# Altium PCB PIXHACK_V3D.PcbDoc (part 3 of 3)
Units mm, origin at the board's own origin, x right, y up, seen from the top; angles counter-clockwise.
Board outline 51.45 x 41 mm, 6 copper layers (Top Layer, GND, POWER1, Signal1, POWER, Bottom Layer), stack 1.296 mm thick; 165 components, 213 nets, 875 pads, 250 vias.
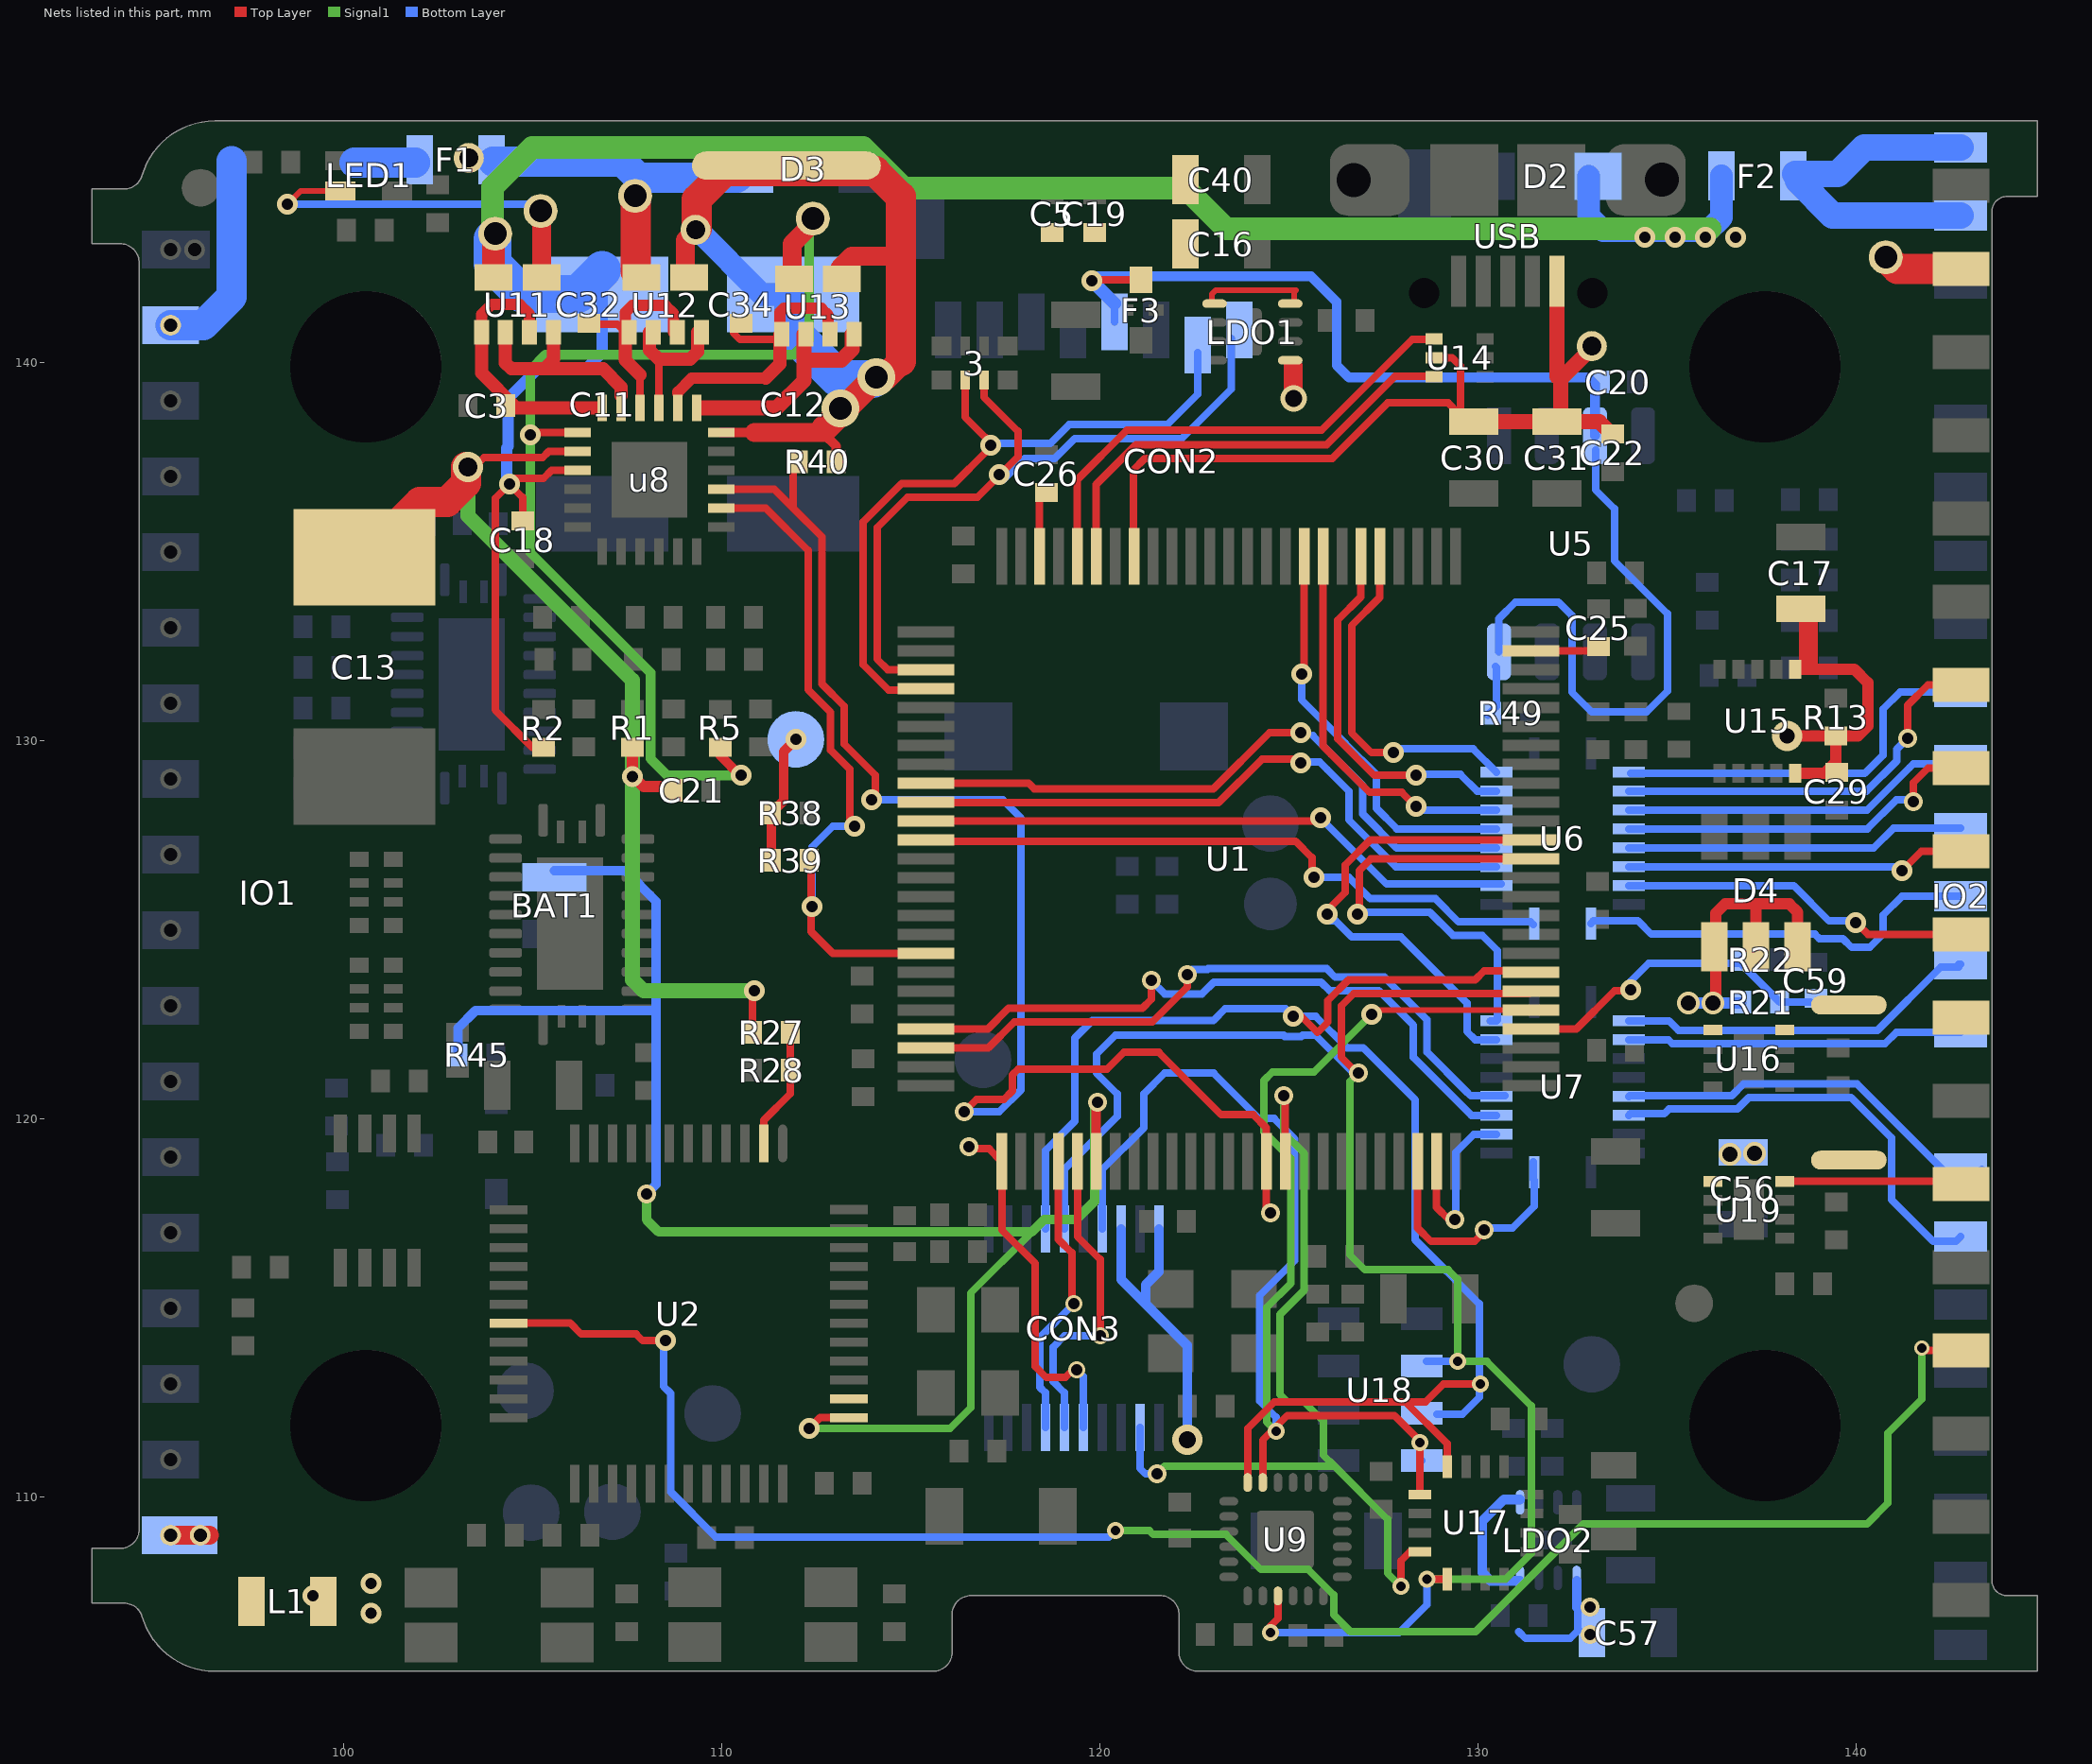
[diagram p7: the nets of this part, all layers, seen from the top]

## Via types
v1: diameter 0.55, hole 0.3, Top Layer to Bottom Layer, 129 vias
v2: diameter 0.5, hole 0.3, Top Layer to Bottom Layer, 50 vias
v3: diameter 0.5, hole 0.3, Top Layer to Bottom Layer, tented both sides, 14 vias
v4: diameter 0.45, hole 0.25, Top Layer to Bottom Layer, tented both sides, 12 vias
v5: diameter 0.45, hole 0.3, Top Layer to Bottom Layer, 9 vias
v6: diameter 0.4, hole 0.25, Top Layer to Bottom Layer, tented both sides, 7 vias
v7: diameter 0.6, hole 0.4, Top Layer to Bottom Layer, 5 vias
v8: diameter 0.6, hole 0.35, Top Layer to Bottom Layer, 5 vias
v9: diameter 0.45, hole 0.3, Top Layer to Bottom Layer, tented both sides, 2 vias
v10: diameter 0.7, hole 0.4, Top Layer to Bottom Layer, 2 vias
v11: diameter 1, hole 0.6, Top Layer to Bottom Layer, 2 vias
v12: diameter 0.5, hole 0.25, Top Layer to Bottom Layer, tented both sides, 2 vias
v13: diameter 0.45, hole 0.25, Top Layer to Bottom Layer, 2 vias
v14: diameter 0.7, hole 0.4, Top Layer to Bottom Layer, tented both sides, 1 vias
v15: diameter 0.6, hole 0.4, Top Layer to Bottom Layer, tented both sides, 1 vias
v16: diameter 0.8, hole 0.5, Top Layer to Bottom Layer, 1 vias
v17: diameter 0.65, hole 0.4, Top Layer to Bottom Layer, 1 vias
v18: diameter 0.8, hole 0.45, Top Layer to Bottom Layer, 1 vias
v19: diameter 0.8, hole 0.4, Top Layer to Bottom Layer, 1 vias
v20: diameter 0.7, hole 0.45, Top Layer to Bottom Layer, 1 vias
v21: diameter 0.65, hole 0.35, Top Layer to Bottom Layer, 1 vias
v22: diameter 0.8, hole 0.45, Top Layer to Bottom Layer, tented both sides, 1 vias

## Nets (pads, with @x,y where several pads share a name; then routed paths per layer and width w, separated by ;. In a path a pad name is that pad's centre, name@x,y a point inside that pad or via, vN(x,y) a via of type N, cw(c..) or ccw(c..) an arc to the next point about the centre after c; other vN are vias at no path point) (continued)
SDIO_D2: 3.7 CON2.1 U1.78 | length 20.1
  Top Layer w0.2: U1.78@115.394,131.867 114.383,131.867 114.1,132.15 114.1,135.625 114.9,136.425 116.75,136.425 117.825,137.5 117.825,138.175 116.925,139.075 3.7@116.925,139.525
  Bottom Layer w0.2: v1@117.45,136.9 118,137.45 118.793,137.45 119.328,137.985 122.16,137.985 123.471,139.296 CON2.1@123.471,140.625
  other v1: 117.325,137.025
SDIO_D3: 3.6 CON2.2 U1.79 | length 18.4
  Top Layer w0.2: U1.79@114.775,131.325 114.409,131.325 113.735,131.999 113.735,135.776 114.749,136.79 116.14,136.79 116.975,137.625 116.975,138 116.425,138.55 3.6@116.425,139.525
  Bottom Layer w0.2: v1(117.1,137.8) 117.1,137.825 117.125,137.85 118.676,137.85 119.176,138.35 121.775,138.35 122.575,139.15 CON2.2@122.575,140.249
SERVO_G: u8.15 U12.2 U12.4 | length 3.6
  Top Layer w0.2: u8.15@108.333,138.794 108.333,139.925
  Top Layer w0.35: U12.2@108.081,140.787 108.081,140.319 108.325,140.075 109.15,140.075 109.351,140.277 U12.4@109.351,140.787
SERVO_VALID: R39.2 U1.93 u8.8 | length 18.5
  Top Layer w0.2: u8.8@109.983,136.144 111.156,136.144 112.275,135.025 112.275,131.343 112.87,130.748 112.87,129.748 113.375,129.243 v1@113.375,127.9 ; R39.2@112.356,126.854 112.356,124.944 112.933,124.367 U1.93@115.394,124.367
  Bottom Layer w0.2: v1(112.375,125.6) 112.375,127.175 112.925,127.725 v1(113.5,127.725)
SERVO_VS: C32.1 u8.16 U12.1 U12.3 | length 5.5
  Top Layer w0.2: C32.1@106.475,141 107.233,141 U12.1@107.446,140.787 ; u8.16@107.832,138.794 107.832,139.518
  Top Layer w0.3: U12.1@107.446,140.787 107.446,141.321 107.625,141.5 108.5,141.5 108.716,141.284 U12.3@108.716,140.787
  Top Layer w0.35: U12.1@107.446,140.787 107.446,140.054 107.832,139.668
SPEKTRUM_EN: U2.2
SPI_EXT_MISO: CON3.14 U1.4 | length 7.6
  Top Layer w0.2: U1.4@118.894,118.867 118.894,116.806 119.25,116.45 119.25,115.15 v5(119.3,115.1)
  Bottom Layer w0.2: CON3.14@118.55,111.825 118.55,112.749 118.404,112.895 118.404,114.204 v5(119.3,115.1)
SPI_EXT_MOSI: CON3.15 U1.5 | length 8.6
  Top Layer w0.2: U1.5@119.4,118.95 119.4,116.875 120,116.275 v5(120,114.25)
  Bottom Layer w0.2: CON3.15@119.05,111.825 119.05,112.75 118.758,113.042 118.758,113.958 119.05,114.25 v5(120,114.25)
SPI_EXT_SCK: CON3.16 U1.1 | length 9.6
  Top Layer w0.2: v2@116.5,119.2 117.061,119.2 U1.1@117.394,118.867 ; U1.1@117.4,118.8 117.4,117.05 118.285,116.165 118.285,113.44 118.575,113.15 119.075,113.15 119.275,113.35 v5(119.375,113.35)
  Bottom Layer w0.2: v5(119.375,113.35) 119.55,113.175 CON3.16@119.55,111.825
  other v2: 116.525,119.25
SPI_MAG_CS: CON3.19 U1.16 U17.4 | length 24.3
  Top Layer w0.2: U1.16@124.894,118.867 v2@124.894,120.5 ; v4(127.95,107.625) 127.95,108.3 128.197,108.547 U17.4@128.448,108.547
  Signal1 w0.2: v2(121.5,110.6) 121.704,110.804 126.196,110.804 ; v2(124.85,120.6) 124.85,119.626 125.392,119.084 125.392,115.457 124.754,114.819 124.754,112.7 124.954,112.5 125.4,112.5 125.9,112 125.9,111.1 126.196,110.804 ; v4(127.95,107.625) 127.6,107.975 127.6,109.4 126.196,110.804
  Bottom Layer w0.2: CON3.19@121.05,111.825 121.05,110.75 121.2,110.6 v2(121.5,110.6)
SPI_MISO: CON3.6 U1.31 U9.9 U17.5 U18.6 | length 47.3
  Top Layer w0.2: v4(124.5,106.4) 124.5,106.575 124.7,106.775 U9.9@124.7,107.375 ; v2(126.825,121.2) 126.8,121.2 126.375,121.625 126.375,122.975 126.71,123.31 131.337,123.31 U1.31@131.394,123.367 ; v4(128.647,107.822) U17.5@129.173,107.822
  Signal1 w0.2: v2(126.825,121.2) 126.6,120.975 126.6,116.4 127,116 129.2,116 129.45,115.75 v13(129.45,113.575) 130.225,113.575 131.4,112.4 131.4,108.5 130.722,107.822 v4(128.647,107.822)
  Bottom Layer w0.2: CON3.6@119.05,117.075 119.05,118.651 120.45,120.051 120.45,120.65 119.9,121.2 119.9,121.7 120.4,122.2 124.852,122.2 124.881,122.171 125.319,122.171 125.348,122.2 125.699,122.2 126.699,121.2 v2(126.825,121.2) ; v4(124.5,106.4) 127.9,106.4 128.647,107.147 v4(128.647,107.822) ; U18.6@128.625,113.575 v13(129.45,113.575)
SPI_MOSI: CON3.7 U1.32 U9.24 U17.16 U18.7 | length 43.2
  Top Layer w0.2: U9.24@123.9,110.375 123.9,111.8 124.6,112.5 128.075,112.5 ; v1(125.1,122.7) 125.321,122.7 125.746,122.275 126.021,122.55 126.021,123.122 126.563,123.664 129.914,123.664 130.15,123.9 U1.32@131.3,123.9 ; U17.16@129.173,110.793 129.173,111.402 128.075,112.5 ; v4(130.05,112.975) 129.075,112.975 128.6,112.5 128.075,112.5
  Bottom Layer w0.2: CON3.7@118.55,117.075 118.55,119.15 119.329,119.929 119.329,122.129 119.788,122.588 122.988,122.588 123.3,122.9 124.9,122.9 v1(125.1,122.7) 125.7,122.7 126.533,121.867 126.958,121.867 128.329,120.496 128.329,116.795 130.025,115.099 130.025,112.625 129.575,112.175 U18.7@128.9,112.175
SPI_SCK: CON3.4 U1.30 U9.23 U17.1 U18.8 | length 42.7
  Top Layer w0.154: v1(127.175,122.75) 127.292,122.867 U1.30@131.394,122.867
  Top Layer w0.2: U9.23@124.3,110.375 124.3,111.496 124.95,112.146 127.779,112.146 v4@128.448,111.477 ; U17.1@128.448,110.059 v4@128.448,111.425
  Signal1 w0.2: v4(124.65,111.725) 124.4,111.975 124.4,115 125.038,115.638 125.038,118.937 124.329,119.646 124.329,121.004 124.55,121.225 125.65,121.225 v1(127.175,122.75)
  Bottom Layer w0.2: CON3.4@120.05,117.075 120.05,118.65 121.158,119.758 121.158,120.658 121.7,121.2 123,121.2 124.2,120 124.6,120 125.146,119.454 125.146,116.247 124.221,115.322 124.221,112.528 124.65,112.099 v4(124.65,111.725) ; v4(128.45,111.425) 128.45,111 U18.8@128.5,110.95
STM32_DM: U1.70 U14.6 | length 12.1
  Top Layer w0.2: U1.70@119.894,134.867 119.894,136.769 120.945,137.82 125.986,137.82 127.791,139.625 U14.6@128.875,139.625
STM32_DP: U1.71 U14.4 | length 13
  Top Layer w0.2: U1.71@119.394,134.867 119.394,136.894 120.7,138.2 125.85,138.2 128.25,140.6 U14.4@128.8,140.6
TELEM1_CTS: IO2.31 U6.16 | length 9
  Bottom Layer w0.2: U6.16@133.978,127.16 140.46,127.16 140.983,127.683 IO2.31@142.759,127.683
TELEM1_RTS: IO2.10 U6.17 | length 9
  Top Layer w0.2: v1(141.2,126.55) 141.722,127.072 IO2.10@142.767,127.072
  Bottom Layer w0.2: U6.17@133.978,126.66 141.04,126.66 v1@141.175,126.525
TELEM1_RX: IO2.30 U6.20 | length 11
  Bottom Layer w0.2: U6.20@132.978,125.16 133.046,125.229 134.221,125.229 134.575,124.875 138.9,124.875 139.021,124.754 139.644,124.754 139.873,124.525 140.35,124.525 140.7,124.875 140.7,125.375 141.208,125.883 IO2.30@142.759,125.883
TELEM1_TX: IO2.9 U6.18 | length 9.3
  Top Layer w0.2: v1@140.05,125.125 140.303,124.872 IO2.9@142.767,124.872
  Bottom Layer w0.2: U6.18@133.978,126.16 138.34,126.16 139.275,125.225 139.975,125.225 v1@140.05,125.15
  other v1: 139.975,125.175
TELEM2_CTS: IO2.32 U6.14 | length 11.1
  Bottom Layer w0.2: U6.14@133.978,128.16 140.285,128.16 ; 141.4,129.275 140.285,128.16 ; IO2.32@143.025,129.375 141.5,129.375 140.285,128.16
TELEM2_RTS: IO2.11 U6.15 | length 9.8
  Top Layer w0.2: v2(141.5,128.375) 141.5,128.875 141.897,129.272 IO2.11@142.767,129.272
  Bottom Layer w0.2: U6.15@133.978,127.66 140.286,127.66 141.051,128.425 v2@141.525,128.425
TELEM2_RX: IO2.12 U6.13 | length 10.8
  Top Layer w0.2: v2@141.357,130.015 141.357,130.932 141.897,131.472 IO2.12@142.767,131.472
  Bottom Layer w0.2: U6.13@133.978,128.66 140.269,128.66 141.065,129.456 141.065,129.765 v2@141.4,130.1
  other v2: 141.357,130.057
TELEM2_TX: IO2.33 U6.12 | length 10.3
  Bottom Layer w0.2: U6.12@134.025,129.125 140.218,129.125 140.7,129.607 140.7,130.825 141.158,131.283 IO2.33@142.759,131.283
TELEM4_RX: IO2.25 U7.17 | length 11.6
  Bottom Layer w0.2: U7.17@133.978,120.085 134.021,120.129 134.922,120.129 135.047,120.254 136.853,120.254 137.157,120.558 139.858,120.558 140.925,119.491 140.925,117.857 142.032,116.75 142.626,116.75 IO2.25@142.759,116.883
TELEM4_TX: IO2.26 U7.16 | length 10.5
  Bottom Layer w0.2: U7.16@133.978,120.585 134,120.608 136.707,120.608 137.011,120.912 140.02,120.912 142.337,118.595 143.263,118.595 IO2.26@143.318,118.65
TELEM5_RX: IO2.29 U7.12 | length 9.6
  Bottom Layer w0.2: U7.12@133.978,122.585 135.04,122.585 135.297,122.328 140.553,122.328 142.225,124 IO2.29@142.7,124 ; IO2.29@142.7,124.083 IO2.29@142.759,124.083
TELEM5_TX: IO2.28 U7.13 | length 9
  Bottom Layer w0.2: U7.13@133.978,122.085 135.024,122.085 135.135,121.974 140.749,121.974 141.058,122.283 IO2.28@142.759,122.283
TF_VCC: C16.2 C20.2 CON2.4 F3.2 R49.1 U5.3 U5.8 | length 35.9
  Top Layer w0.2: v1@119.847,142.178 F3.2@120.958,142.178
  Bottom Layer w0.2: CON2.4@120.375,141.072 CON2.4@120.375,141.55 ; R49.1@130.256,130.671 130.475,130.89 130.475,131.925 U5.8@130.45,131.95 ; U5.8@130.545,132.343 130.545,133.22 130.985,133.66 132.117,133.66 132.475,133.302 132.475,131.275 133,130.75 134.45,130.75 135,131.3 135,133.35 133.6,134.75 133.6,136.125 133.1,136.625 U5.3@133.1,137.675
  Bottom Layer w0.254: v1@119.775,142.275 125.575,142.275 126.25,141.6 126.25,139.925 126.575,139.6 132.9,139.6 133.085,139.415 U5.3@133.085,138.058
  Bottom Layer w0.35: v1(119.775,142.15) CON2.4@120.375,141.55
USART1_RX: IO2.4 U2.31 | length 49.5
  Top Layer w0.2: U2.31@104.354,114.591 105.984,114.591 106.275,114.3 107.725,114.3 107.9,114.125 v1(108.5,114.125) ; v6@141.728,113.872 IO2.4@142.767,113.872
  Signal1 w0.2: v4(120.4,109.1) 121.3,109.1 121.4,109 123.325,109 124.25,108.075 125.5,108.075 126.175,107.4 126.175,106.876 126.618,106.433 129.932,106.433 132.782,109.283 140.283,109.283 140.825,109.825 140.825,111.675 141.725,112.575 v6(141.725,113.925)
  Bottom Layer w0.2: v1@108.45,114.1 108.45,112.916 108.64,112.726 108.64,110.126 109.831,108.935 120.235,108.935 v4(120.4,109.1)
USART2_CTS: U1.84 U6.5 | length 17.1
  Top Layer w0.2: U1.84@115.394,128.867 118.108,128.867 118.258,128.717 122.992,128.717 124.475,130.2 v1(125.3,130.2)
  Bottom Layer w0.2: 125.625,130.125 126.109,129.641 126.94,128.81 126.94,128.051 127.841,127.15 U6.5@130.475,127.15
USART2_RTS: U1.85 U6.4 | length 17.2
  Top Layer w0.2: U1.85@115.394,128.367 115.409,128.352 123.127,128.352 124.276,129.5 v1@125.3,129.5
  Bottom Layer w0.2: v1@125.275,129.475 125.325,129.425 125.809,129.425 125.999,129.235 126.575,128.659 126.575,127.9 127.815,126.66 U6.4@130.478,126.66
  other v1: 125.3,129.4
USART2_RX: U1.87 U6.1 | length 17.2
  Top Layer w0.2: U1.87@115.394,127.367 115.426,127.335 125.165,127.335 125.6,126.9 v1@125.6,126.4
  Bottom Layer w0.2: v1@125.7,126.4 125.725,126.375 126.576,126.375 127.14,125.811 128.864,125.811 129.475,125.2 131.375,125.2 U6.1@131.45,125.125
  other v1: 125.65,126.375
USART2_TX: U1.86 U6.3 | length 16
  Top Layer w0.2: U1.86@115.394,127.867 125.742,127.867 v1(125.825,127.95)
  Bottom Layer w0.2: v1(125.825,127.95) 127.575,126.2 U6.3@130.6,126.2
USART3_CTS: U1.58 U6.7 | length 10.3
  Top Layer w0.2: U1.58@125.894,134.867 125.894,129.856 127.125,128.625 127.975,128.625 v1(128.35,128.25)
  Bottom Layer w0.2: v1@128.375,128.35 128.565,128.16 U6.7@130.478,128.16
USART3_RTS: U1.59 U6.6 | length 10.9
  Top Layer w0.2: v1@125.394,131.75 U1.59@125.394,134.867
  Bottom Layer w0.2: v1(125.325,131.75) 125.325,131.075 126.465,129.935 ; 126.475,129.925 127.305,129.095 127.305,128.202 127.847,127.66 U6.6@130.478,127.66
USART3_RX: U1.56 U6.8 | length 9.8
  Top Layer w0.2: U1.56@126.894,134.867 126.894,133.794 126.285,133.185 126.285,130.04 127.25,129.075 v1(128.35,129.075)
  Bottom Layer w0.2: v1@128.375,129.1 129.525,129.1 129.965,128.66 U6.8@130.478,128.66
USART3_TX: U1.55 U6.9 | length 9.3
  Top Layer w0.2: U1.55@127.394,134.867 127.394,133.778 126.65,133.034 126.65,130.2 127.175,129.675 v1(127.75,129.675)
  Bottom Layer w0.2: v1@127.725,129.775 129.863,129.775 U6.9@130.478,129.16
USART4_RX: U1.24 U7.3 | length 4.8
  Top Layer w0.2: U1.24@128.894,118.867 128.894,117.656 v2@129.225,117.325
  Bottom Layer w0.2: v2@129.225,117.325 129.4,117.5 129.4,119.1 129.885,119.585 U7.3@130.478,119.585
  other v2: 129.375,117.325
USART4_TX: U1.23 U7.1 | length 6.6
  Top Layer w0.2: U1.23@128.354,118.907 U1.23@128.394,118.867 128.394,117.106 128.75,116.75 129.9,116.75 v2@130.125,116.975
  Bottom Layer w0.2: v2@130.162,116.937 130.325,117.1 130.9,117.1 131.475,117.675 131.475,118.361 131.45,118.386 U7.1@131.45,118.85
  other v2: 130.15,117.05
USART7_RX: U1.38 U7.9 | length 12.1
  Top Layer w0.2: v1(126.8,125.4) 126.8,125.364 126.849,125.315 126.849,126.558 127.158,126.867 U1.38@131.394,126.867
  Bottom Layer w0.2: v1@126.9,125.5 126.943,125.457 128.717,125.457 129.328,124.846 130.1,124.846 130.5,124.446 U7.9@130.5,122.6 ; U7.9@130.315,122.585 U7.9@130.478,122.585
USART7_TX: U1.39 U7.8 | length 13.2
  Top Layer w0.2: v1(126,125.4) 125.9,125.4 126.484,125.984 126.484,126.709 127.142,127.367 U1.39@131.394,127.367
  Bottom Layer w0.2: v1(126,125.4) 126,125.3 126.076,125.224 126.228,125.224 126.652,124.8 127.952,124.8 129.7,123.052 129.7,122.3 129.915,122.085 U7.8@130.478,122.085
USART8_RX: U1.97 U7.4 | length 18.1
  Top Layer w0.2: U1.97@115.394,122.367 117.026,122.367 117.574,122.915 121.115,122.915 121.35,123.15 v2(121.35,123.65)
  Bottom Layer w0.2: v2(121.35,123.65) 121.704,123.296 122.695,123.296 123.007,123.608 125.841,123.608 126.065,123.384 127.365,123.384 128.284,122.465 128.284,121.614 129.813,120.085 U7.4@130.478,120.085
USART8_TX: U1.98 U7.5 | length 18.3
  Top Layer w0.2: U1.98@115.394,121.867 117.042,121.867 117.725,122.55 121.375,122.55 122.3,123.475 v2(122.3,123.8)
  Bottom Layer w0.2: v2(122.3,123.8) 122.446,123.946 122.844,123.946 122.86,123.962 125.988,123.962 126.212,123.738 127.512,123.738 128.638,122.612 128.638,121.761 129.668,120.731 ; 129.669,120.731 129.8,120.6 U7.5@130.7,120.6
VBAT: BAT1.2 R45.2 U1.6 U2.1 | length 45.1
  Top Layer w0.2: v1(112.3,111.8) 112.591,112.091 U2.1@113.354,112.091
  Top Layer w0.25: U1.6@119.894,118.867 v2@119.894,120.256
  Signal1 w0.2: v1(112.3,111.8) 116.025,111.8 116.575,112.35 116.575,115.385 118.19,117 ; v2@119.875,120.35 v2@119.875,120.4
  Signal1 w0.25: v3(108,118) 108,117.325 108.325,117 118.19,117 118.515,117.325 119.365,117.325 119.85,117.81 119.85,120.35 v2(119.931,120.431)
  Bottom Layer w0.25: R45.2@103.019,121.679 103.019,122.394 103.475,122.85 108.256,122.85 ; BAT1.2@105.57,126.549 107.451,126.549 108.256,125.744 108.256,122.85 ; v3(108,118) 108.256,118.256 108.256,122.85
VBUS: C22.2 C30.2 C31.2 IO2.17 pad.3@112.4,143.8 pad.3@133,140.425 pad.3@140.775,142.775 R5.2 U1.68 u8.19 U13.8 U14.5 USB.1 | length 54.1
  Top Layer w0.2: v1@104.85,138.075 104.919,138.144 u8.19@106.182,138.144 ; U1.68@120.894,134.867 120.875,134.886 120.875,137.15 121.18,137.455 126.137,137.455 127.607,138.925 129.2,138.925 ; U14.5@128.835,140.116 129.309,140.116 129.525,139.9 C30.2@129.525,138.325 ; 129.204,138.921 129.475,138.65 C30.2@129.725,138.4
  Top Layer w0.254: R5.2@109.954,129.596 v1@110.487,129.063
  Top Layer w0.4: C30.2@129.875,138.425 C31.2@132.075,138.425 133.2,138.425 C22.2@133.5,138.125 ; 132.079,139.621 USB.1@132.079,142.147 ; C31.2@132.175,138.525 132.175,139.55 133,140.375 pad.3@133,140.425
  Top Layer w0.5: U13.8@111.85,142.2 111.85,143.125 pad.3@112.462,143.738
  Top Layer w0.8: pad.3@140.775,142.775 141.078,142.472 IO2.17@142.767,142.472
  Signal1 w0.254: v1(104.925,138.075) v1@104.931,138.069 ; v1(110.5,129.075) 108.55,129.075 108.11,129.515 108.11,131.788 104.931,134.967 v1@104.931,138.069 ; pad.3@112.3,143.75 112.3,143.7 112.3,140.6 111.9,140.2 105.325,140.2 104.931,139.806 v1@104.931,138.069
  Signal1 w0.5: pad.3@112.3,143.7 pad.3@112.325,143.675
VBUS_G: u8.13 U13.2 U13.4 | length 6
  Top Layer w0.4: u8.13@109.408,138.794 111.444,138.794 112.168,139.518 U13.2@112.168,140.745 ; 112.25,140.05 113.15,140.05 113.438,140.338 U13.4@113.438,140.745
VBUS_VAILD: R40.2 U1.15 u8.9 | length 36.9
  Top Layer w0.2: u8.9@109.983,136.644 111.381,136.644 111.881,136.144 ; R40.2@111.881,137.144 111.881,136.144 ; v1@114.05,128.35 114.05,129.084 113.235,129.899 113.235,130.899 112.64,131.494 112.64,135.385 111.881,136.144 ; v2(116.4,120.175) 116.725,120.5 117.45,120.5 117.676,120.726 117.676,121.151 117.825,121.3 120.175,121.3 120.625,121.75 121.55,121.75 123.2,120.1 124.05,120.1 124.394,119.756 U1.15@124.394,118.867 124.394,117.606 v2(124.5,117.5)
  Bottom Layer w0.2: v1(113.95,128.425) 117.425,128.425 117.904,127.946 117.904,120.755 117.324,120.175 v2(116.4,120.175)
VBUS_VS: C34.1 u8.14 U13.1 U13.3 | length 8.3
  Top Layer w0.2: u8.14@108.832,138.794 108.832,139.182 ; C34.1@110.3,141.025 110.3,140.775 110.475,140.6 111.388,140.6 U13.1@111.533,140.745
  Top Layer w0.3: 108.832,139.182 108.832,139.214 109.193,139.575 111.15,139.575 ; U13.1@111.533,140.745 111.533,141.332 111.625,141.425 112.625,141.425 112.803,141.248 U13.3@112.803,140.745
  Top Layer w0.35: 111.15,139.575 111.533,139.958 U13.1@111.533,140.745
VCAP_1: C25.2 U1.49 | length 1.9
  Top Layer w0.2: U1.49@131.394,132.367 133.142,132.367 C25.2@133.225,132.45
VCAP_2: C26.2 U1.73 | length 1.7
  Top Layer w0.2: C26.2@118.375,136.55 118.394,136.531 U1.73@118.394,134.867
VCC_OUT1: IO2.8 pad.21 U16.8
VCC_OUT2: IO2.6 pad.20 U19.8 | length 4.7
  Top Layer w0.2: U19.8@138.102,118.338 142.701,118.338 IO2.6@142.767,118.272
VDD_5V_BRICK: C11.A C18.2 D2.2 F2.2 pad.3@104,143.4 R2.2 u8.21 U11.8 | length 64
  Top Layer w0.2: v1@104.375,136.925 105.275,136.925 105.494,137.144 u8.21@106.182,137.144 ; C18.2@104.725,135.8 104.725,136.425 v1(104.375,136.775) 104,136.4 104,130.8 104.981,129.819 R2.2@105.279,129.819
  Top Layer w0.6: U11.8@103.954,142.242 pad.3@103.954,143.146
  Signal1 w0.6: pad.3@103.925,143.4 103.925,144.625 104.975,145.675 113.725,145.675 114.8,144.6 122.25,144.6 123.325,143.525 v1@136.125,143.525
  Bottom Layer w0.3: v1@104.4,136.7 104.3,136.8 104.3,137.735 104.346,137.781 104.346,139.046 105.1,139.8 106.375,139.8 106.834,140.259 C11.A@106.834,142.218
  Bottom Layer w0.6: D2.2@132.923,144.918 132.923,143.852 133.3,143.475 136.075,143.475 136.425,143.825 F2.2@136.425,144.925
  Bottom Layer w1: pad.3@103.925,143.25 103.925,142.6 104.725,141.8 106.191,141.8 C11.A@106.834,142.443
  other v1: 134.4,143.3 135.2,143.3 136,143.3 136.8,143.3
VDD_5V_BRICK_IN: F2.1 IO2.40 IO2.41 | length 9.4
  Bottom Layer w0.7: F2.1@138.375,144.975 139.5,144.975 140.208,145.683 IO2.41@142.759,145.683 ; F2.1@138.45,144.8 139.367,143.883 IO2.40@142.759,143.883
VDD_5V_IN: C5.2 C12.A C17.2 C19.2 C29.2 C40.2 C56.2 C57.2 CON3.1 CON3.3 D4.A1 D4.A2 D4.A3 L1.2 LDO1.1 LDO1.4 LDO1.5 LDO2.1 LDO2.4 LDO2.5 LED1.3 pad.1@111.95,130.025 pad.3@105.2,144 pad.3@109.3,143.5 pad.19 R13.1 R21.2 R38.1 R39.1 R40.1 u8.12 U11.5 U12.5 U13.5 U15.1 U15.10 U16.1 U19.1 | length 78.5
  Top Layer w0.15: v1(98.5,144.175) 98.858,144.533 LED1.3@99.909,144.533 ; LDO1.5@122.95,141.55 122.95,141.8 123.05,141.9 125.175,141.9 125.125,141.85 LDO1.4@125.125,141.525 ; v7@136.225,123.075 v7@136.275,123.125
  Top Layer w0.254: u8.12@109.983,138.144 110.856,138.144 ; R39.1@111.306,126.829 R38.1@111.306,128.079 111.625,128.398 111.625,129.7 v1(111.95,130.025) ; 112.7,138.1 113.019,137.781 R40.1@113.019,137.371 ; v11@114,139.488 v11@114,139.5 ; v11(114.075,139.6) v11@114.3,139.6
  Top Layer w0.3: 114.7,143.35 ccw(c114.861,143.35) 114.725,143.264 ccw(c114.861,143.35) 114.861,143.189 ; v7@136.275,123.125 136.275,125.425 136.525,125.675 138.225,125.675 138.442,125.458 D4.A1@138.442,124.543 ; D4.A2@137.342,124.543 137.342,125.658 ; v19(138.163,130.112) R13.1@139.459,130.112 ; U15.10@138.381,129.131 139.156,129.131 139.459,129.434 R13.1@139.459,130.112 ; U15.1@138.381,131.881 139.944,131.881 140.3,131.525 140.3,130.375 140.037,130.112 R13.1@139.459,130.112
  Top Layer w0.5: U11.5@105.224,142.242 pad.3@105.224,143.899 ; U12.5@109.034,142.242 109.034,143.234 pad.3@109.325,143.525 ; 110.856,138.144 112.656,138.144 ; U13.5@113.12,142.2 113.12,142.495 113.425,142.8 114.725,142.8 ; v20@125.1,139.025 125.1,139.9 ; 138.725,132.027 C17.2@138.725,133.55
  Top Layer w0.6: 114.725,139.95 114.725,140.025
  Top Layer w0.7: 112.706,138.244 v11@114.05,139.588 ; v11@114.3,139.6 114.725,140.025
  Top Layer w0.8: pad.3@109.325,143.525 109.325,144.3 110.075,145.05 114.05,145.05 114.725,144.375 114.725,143.264 114.725,142.8 114.725,140.025
  Signal1 w0.5: v11(113.125,138.775) 113.25,138.775 v11@114.025,139.55
  Bottom Layer w0.15: pad.3@104.85,144.175 pad.3@104.975,144.3
  Bottom Layer w0.154: LDO2.4@131.069,107.744 LDO2.4@131.1,107.775
  Bottom Layer w0.2: v1(98.5,144.175) pad.3@104.85,144.175 ; 131.069,106.429 131.248,106.25 132.425,106.25 132.65,106.475 ; 132.625,106.45 132.625,107.05
  Bottom Layer w0.254: CON3.3@120.55,117.075 120.55,115.75 121.2,115.1 ; CON3.1@121.55,117.075 121.55,115.95 121.2,115.6 121.2,115.1 ; v22@122.3,111.4 122.3,114 121.2,115.1 ; LDO2.4@131.1,107.775 130.325,107.775 130.1,108 130.1,109.349 130.676,109.925 LDO2.5@131.1,109.925 ; 132.6,107.075 LDO2.1@132.6,107.775
  Bottom Layer w0.3: v7@135.575,123.05 v7(136.2,123.05) R21.2@136.94,123.05
  Bottom Layer w0.6: pad.3@109.325,143.525 111.057,141.793 C12.A@111.884,141.793
  Bottom Layer w1: C12.A@111.884,141.793 111.884,140.766 113.1,139.55 v11@113.975,139.55
  other v1: 100.721,106.915 99.175,107.375 100.721,107.7
  other v2: 132.95,106.35 132.95,107.075
  other v7: 136.657,119.056 137.3,119.075 135.55,123.05
  other v20: 125.119,139.044
  other v22: 122.3,111.5
VDD_5V_SENS: C59.2 R21.1 R22.2 U1.29 | length 8.8
  Top Layer w0.2: U1.29@131.394,122.367 132.592,122.367 133.6,123.375 v1@134.032,123.375
  Bottom Layer w0.2: v1(134.025,123.4) 134.025,123.625 134.5,124.1 R22.2@136.969,124.1 ; R22.2@136.969,124.204 R22.2@136.969,124.1 ; R22.2@137,124.1 R22.2@136.969,124.1 ; C59.2@138.779,123.079 R21.1@137.969,123.079 136.969,124.079 R22.2@136.969,124.1
VDD_G: u8.17 U11.2 U11.4 | length 5.7
  Top Layer w0.2: u8.17@107.333,138.794 u8.17@107.333,139.117
  Top Layer w0.35: U11.2@104.271,140.787 104.271,139.979 104.425,139.825 105.3,139.825 ; U11.4@105.541,140.787 105.541,140.067 105.3,139.825 ; u8.17@107.333,139.117 107.333,139.342 106.85,139.825 106.825,139.825 105.3,139.825
VDD_RC: IO1.1 L1.1 pad.4 pad.5@96.2,108.979 | length 1
  Top Layer w0.5: pad.4@95.415,108.979 pad.5@96.446,108.979
VDD_SERVO: C13.A C21.2 D3.2 F1.1 pad.3@103.3,145.4 pad.3@107.7,144.4 R1.2 R27.1 u8.20 U12.8 | length 38.1
  Top Layer w0.154: v1(107.629,129.046) v1@107.654,129.046
  Top Layer w0.2: v16@103.475,137.25 103.7,137.475 105.25,137.475 105.419,137.644 u8.20@106.182,137.644 ; R27.1@110.806,122.129 R27.1@110.806,122.279 110.806,123.256 v1@110.9,123.35
  Top Layer w0.3: v1(107.629,129.046) R1.2@107.629,129.819 ; v1@107.654,129.046 107.925,128.775 C21.2@108.725,128.775
  Top Layer w0.8: C13.A@100.541,134.843 101.998,136.3 102.725,136.3 103.225,136.8 v16@103.225,137.225 ; U12.8@107.714,142.392 pad.3@107.714,144.4
  Signal1 w0.3: v16@103.4,137.225 v16@103.4,137.35
  Signal1 w0.4: v16(103.275,137.225) 103.275,135.943 107.629,131.589 v1(107.629,129.046) 107.629,123.671 107.925,123.375 v1(110.85,123.375)
  Bottom Layer w0.154: F1.1@103.775,145.475 F1.1@103.9,145.35 F1.1@103.95,145.3
  Bottom Layer w0.8: F1.1@103.95,145.3 107.375,145.3 107.8,144.875 110.395,144.875 D3.2@110.627,145.107
VDD_SERVO_IN: F1.2 IO1.17 pad.17@95.415,140.979 | length 7.1
  Bottom Layer w0.8: IO1.17@95.415,140.979 96.279,140.979 97.029,141.729 97.029,145.318 ; 100.275,145.275 F1.2@101.875,145.275
VDD_SERVO_SENS: R27.2 R28.2 U2.14 | length 3
  Top Layer w0.2: U2.14@111.104,119.341 111.104,119.954 111.8,120.65 R27.2@111.8,122.025
VDD_VS: C3.1 u8.18 U11.1 U11.3 | length 6.9
  Top Layer w0.3: U11.1@103.636,140.787 103.636,141.261 103.9,141.525 104.65,141.525 104.906,141.269 U11.3@104.906,140.787
  Top Layer w0.35: U11.1@103.636,140.787 103.636,139.714 104.556,138.794 106.682,138.794
pads on no net: CON2.NC1 CON2.NC2 CON3.20 IO1.0 IO2.22 IO2.23 KEY1.A1 KEY1.A3 KEY2.A1 KEY2.B3 LDO1.6 U1.51 U1.67 U1.92 U2.3 U2.4 U2.25 U2.32 U2.42 U2.43 U3.3 U3.4 U3.20 U3.21 U5.0 u8.11 u8.22 u8.23 U9.2 U9.3 U9.4 U9.5 U9.6 U9.7 U9.14 U9.15 U9.16 U9.17 U9.19 U9.21 U16.3 U17.3 U17.7 U17.14 U17.15 U18.4 U19.3 USB.0 USB.4
copper on no net: | length 0.2
  Bottom Layer w0.2: 142.611,113.135 142.759,113.283

## Polygon pours and split planes (outlines as drawn)
GND on Top Layer "GND-No Net" (solid, remove dead copper, pour order 206): 97.175,130.35 97.175,127.775 97.275,127.675 102.3,127.675 103.025,127.675 103.525,128.175 105.575,128.175 106.925,128.175 107,128.25 107.175,128.425 107.175,129.275 107.175,129.375 107,129.55 106.975,129.575 105.9,129.575 104.45,129.575 103.725,130.3 103.725,132.15 97.175,132.15
MCU_3V3 on Top Layer "Top Layer-GND" (solid, remove dead copper, pour order 140): 121.083,140.578 121.15,140.646 123.49,140.646 123.49,138.815 123.275,138.6 120.584,138.6 118.525,138.6 118.5,138.575 118.349,138.726 118.349,140.664
VBUS on Top Layer "Top Layer-GND" (solid, remove dead copper, pour order 134): 131.75,142.925 131.801,142.976 132.433,142.976 132.433,141.217 132.65,141 132.7,141.05 133.775,141.05 133.775,139.65 133.725,139.6 134.175,139.15 134.175,137.6 128.775,137.6 128.525,137.85 128.4,137.975 128.4,139.225 128.4,139.459 129.057,140.116
TF_VCC on Top Layer "CUAV" (solid, remove dead copper, pour order 68): 119.5,141.8 122.4,141.8 122.7,142.1 123,142.4 123.1,142.4 123.1,144.1 123,144.2 122.9,144.1 120.5,144.1 120.5,143.6 119.9,143 119.7,142.8 119.5,142.8
VDD_5V_IN on Top Layer "CUAV" (solid, remove dead copper, pour order 66): 114.85,142.725 119.75,142.725 120.15,142.725 120.45,143.025 120.55,143.125 120.75,143.325 120.75,144.025 120.95,144.225 122.55,144.225 122.75,144.225 122.95,144.025 122.95,142.525 122.95,142.325 122.95,142.225 122.55,142.225 122.55,141.625 122.55,141.525 122.65,141.425 123.25,141.425 125.45,141.425 125.65,141.625 125.65,142.325 125.45,142.525 123.55,142.525 123.55,145.825 123.35,146.025 122.85,146.525 120.55,146.525 120.25,146.225 120.25,144.325 120.05,144.125 119.95,144.025 116.75,144.025 116.75,146.025 116.45,146.325 116.35,146.425 114.75,146.425
VCC_OUT1 on Top Layer "Top Layer-No Net 1" (solid, remove dead copper, pour order 34): 137.85,122.2 139.125,122.2 139.775,122.2 139.8,122.2 140.1,121.9 140.525,121.475 141.825,121.475 143.575,121.475 143.6,121.45 143.575,121.475 143.575,124.275 137.9,124.275 137.85,124.225
VCC_OUT2 on Top Layer "Top Layer-No Net 1" (solid, remove dead copper, pour order 32): 137.825,118.175 139.15,118.175 139.875,118.175 140.1,117.95 140.1,117.45 140.1,117.25 140.225,117.125 140.375,116.975 143.6,116.975 143.6,119.475 143.5,119.575 137.825,119.575
VDD_5V_IN on Top Layer "Top Layer-No Net 1" (solid, remove dead copper, pour order 30): 104.525,141.875 104.525,143.575 104.025,144.075 103.725,144.375 103.725,146.375 115.325,146.375 115.425,146.275 115.475,146.225 115.475,139.15 115.475,138.9 114.425,137.85 114.4,137.875 109.605,137.875 109.6,138.425 111.975,138.425 113.8,140.25 113.8,141.7 111.255,141.7 109.6,141.7 109.425,141.875
VDD_SERVO on Top Layer "Top Layer-No Net 1" (solid, remove dead copper, pour order 28): 98.5,133.5 103.6,133.5 103.9,133.75 103.925,133.775 103.925,136.35 104.075,136.35 104.475,136.75 104.625,136.9 105.275,136.9 105.525,137.15 105.55,137.125 106.225,137.125 106.475,137.125 106.5,137.1 106.475,137.125 106.475,138.125 102.425,138.125 101.575,137.275 100.5,136.2 98.5,136.2
GND on Top Layer "CUAV" (solid, remove dead copper, pour order 80): 115.475,143.036 120.1,143.036 120.2,140.3 120.1,140.2 120,140.1 118.6,140.1 118.3,140.4 118.2,140.5 115.2,140.5
GND on Top Layer "CUAV" (solid, remove dead copper, pour order 88): 135.1,132.4 137.2,132.4 137.2,132.3 137.4,132.1 137.9,131.6 137.9,130.4 137.9,130.1 137.7,129.9 134.3,129.9 134.3,131.5 134.4,131.6
VDD_RC on Top Layer "CUAV" (solid, remove dead copper, pour order 90): 94.6,110.2 97.8,110.2 98.2,109.8 98.2,105.4 95,105.4 94.6,105.8
VDD_5V_IN on Top Layer "CUAV" (solid, remove dead copper, pour order 92): 98.9,109.6 100.9,109.6 101,109.6 101.3,109.3 101.4,109.2 101.4,105.4 98.9,105.4
VDD_5V_BRICK on Top Layer "CUAV" (solid, remove dead copper, pour order 100): 133.8,144.1 137.3,144.1 137.5,143.9 137.4,143.8 137.4,142.6 133.6,142.6
GND on Top Layer "Top Layer-GND" (solid, remove dead copper, pour order 128): 136.5,123.4 137.9,123.4 137.9,119.8 137.6,119.5 135.9,119.5 135.9,119 136.1,118.8 137.9,118.8 137.9,116.4 137.8,116.3 137.7,116.2 134.8,116.2 134.8,123.2 135,123.4
GND on Top Layer "CUAV" (solid, remove dead copper, pour order 82): 122.9,146.4 137.5,146.4 137.6,146.3 137.8,146.5 145.2,146.5 145.2,137.2 144.5,136.5 144.2,136.2 122.9,136.2
VDD_VS on Top Layer "VDD_VS_L01_P142" (solid, remove dead copper, pour order 142): 106.95,138.45 103.625,138.45 103.625,139.15 103.5,139.275 103.275,139.5 103.275,141.275 103.275,141.75 103.325,141.8 103.35,141.825 105.025,141.825 105.1,141.825 105.175,141.75 105.345,141.58 105.345,140.465 104.715,140.465 104.7,140.45 104.675,140.475 104.675,141.075 104.675,141.15 104.625,141.2 104.6,141.225 103.9,141.225 103.9,139.65 104.475,139.075 104.5,139.1 106.95,139.1
VDD_G on Top Layer "VDD_G_L01_P144" (solid, remove dead copper, pour order 144): 103.917,141.266 103.917,139.667 103.9,139.65 104.45,139.1 104.5,139.1 106.925,139.1 106.95,139.075 106.95,138.45 107.475,138.45 107.525,138.5 107.525,139.45 107.5,139.45 106.95,140 106.835,140.115 105.716,140.115 105.716,141.266 105.725,141.275
SERVO_VS on Top Layer "SERVO_VS_L01_P146" (solid, remove dead copper, pour order 146): 107.475,138.45 107.5,138.425 108,138.425 108,139.737 107.621,140.115 107.643,140.137 107.643,141.109 108.366,141.109 108.375,141.1 108.525,140.95 108.525,140.475 108.95,140.475 108.975,140.5 108.975,141.9 106.8,141.9 106.2,141.3 106.2,140.1
SERVO_G on Top Layer "SERVO_G_L01_P148" (solid, remove dead copper, pour order 148): 108,138.425 108.7,138.425 108.725,138.45 108.72,138.455 108.72,139.084 108.72,139.101 109.193,139.575 109.7,140.082 109.7,141.15 109.7,141.6 109.425,141.875 109.4,141.85 107.525,141.85 107.525,140.212 107.621,140.115
VBUS_VS on Top Layer "VBUS_VS_L01_P150" (solid, remove dead copper, pour order 150): 108.553,138.425 109.025,138.425 109.025,139.15 109.275,139.4 111.325,139.4 111.325,139.425 111.775,139.875 111.875,139.975 111.875,141.05 112.608,141.05 112.622,141.064 112.625,141.061 112.625,140.4 113.05,140.4 113.075,140.425 113.075,141.65 110.125,141.65 109.85,141.375 109.7,141.225 109.7,140.082 109.262,140.082 108.613,139.433
VBUS_G on Top Layer "VBUS_G_L01_P152" (solid, remove dead copper, pour order 152): 109.025,138.425 109.026,138.424 109.612,138.424 111.974,138.424 111.975,138.425 113.8,140.25 113.8,141.7 111.875,141.7 111.875,139.975 111.807,139.907 111.325,139.425 109.043,139.425 109.025,139.407
GND on Bottom Layer "GND_L06_P168" (solid, remove dead copper, pour order 168): 131.225,109.475 135.375,109.475 135.475,109.375 135.625,109.225 135.625,105.375 133.275,105.375 133.2,105.45 133.2,108.214 132.975,108.439 132.911,108.375 131.025,108.375 131.025,109.5
IO-3V3 on Bottom Layer "IO-3V3_L06_P154" (solid, remove dead copper, pour order 154): 132.425,109.45 134.675,109.45 134.675,110.675 134.596,110.754 134.6,110.758 134.6,112.675 133.1,112.675 133.025,112.6 133,112.575 133,111.35 132.45,110.8 132.425,110.775 132.425,109.45
VDD_5V_IN on Bottom Layer "Top Layer-GND" (solid, remove dead copper, pour order 136): 131.4,110.525 131.2,110.725 130.725,110.725 129.25,109.25 128.95,109.25 128.95,108.575 128.95,107.475 128.95,107.05 128.95,105.725 130.525,105.725 130.825,105.725 132.9,105.725 133.05,105.725 133.3,105.975 133.35,106.025 133.35,108.5
VDD_5V_IN on Bottom Layer "Top Layer-No Net 1" (solid, remove dead copper, pour order 50): 108.675,144.3 110.3,144.3 114.125,144.3 114.4,144.025 114.8,143.625 114.8,139.325 114.8,139.025 113.675,137.9 113.575,137.8 109.725,137.8 109.725,141.225 109.15,141.8 109.1,141.85 108.725,141.85
VDD_5V_BRICK on Bottom Layer "Top Layer-No Net 1" (solid, remove dead copper, pour order 38): 131.425,146.325 131.475,146.375 137.275,146.375 137.275,143.15 137.125,143 137.075,142.95 131.425,142.95
VDD_5V_BRICK_IN on Bottom Layer "Top Layer-No Net 1" (solid, remove dead copper, pour order 40): 137.85,146.375 143.475,146.375 143.525,146.325 143.575,146.275 143.575,142.825 138.125,142.825 137.875,143.075
VDD_SERVO on Bottom Layer "Top Layer-GND" (solid, remove dead copper, pour order 110): 102.8,146 104.4,146 104.5,145.9 104.5,144.6 102.8,144.6
VDD_SERVO on Bottom Layer "Top Layer-GND" (solid, remove dead copper, pour order 112): 102.8,146.4 111.8,146.4 111.9,146.4 112.2,146.1 112.2,144.2 106.4,144.2 106.2,144.4 106,144.6 102.8,144.6
VDD_5V_BRICK on Bottom Layer "Top Layer-GND" (solid, remove dead copper, pour order 118): 103.925,136.45 104.984,136.45 104.984,136.573 104.984,137.673 105.384,138.073 105.584,138.273 108.184,138.273 108.584,138.273 108.684,138.373 109.184,138.873 109.184,143.873 103.584,143.873 103.284,144.173 102.784,143.673 102.784,141.073 102.825,136.925
GND on Bottom Layer "GND_L06_P190" (solid, remove dead copper, pour order 190): 113,146.383 113,144.355 112.945,144.3 114.667,142.578 114.8,142.578 131.053,142.578 131.425,142.95 131.425,146.225
VDD_5V_IN on Bottom Layer "VDD_5V_IN_L06_P198" (solid, remove dead copper, pour order 198): 120.2,117.8 120.2,115.4 120.2,114.808 120.121,114.729 120.175,114.675 120.6,114.675 120.6,112.7 120.7,112.6 121.7,112.6 121.7,110.9 121.8,110.8 121.9,110.7 123.2,110.7 123.3,110.7 123.3,117.8 122.9,117.8 121.4,117.8 121.4,116.4 121.3,116.3 120.7,116.3 120.7,117.8
GND on Bottom Layer "GND_L06_P200" (solid, remove dead copper, pour order 200): 120.329,116.296 120.333,116.3 121.55,116.3 123.1,116.3 123.2,116.4 123.3,116.5 123.3,120.9 123,121.2 121.7,121.2 121.158,120.658 121.158,119.758 120.05,118.65
GND on Bottom Layer "GND_L06_P202" (solid, remove dead copper, pour order 202): 115.275,111.825 114.9,112.2 114.9,114.7 115.5,115.3 115.5,117.9 116.1,118.5 118.05,118.5 118.05,115.05 118.05,113.05 117.8,112.8 117.7,112.7 117,112.7 117,111.925 116.9,111.825
VDD_SERVO_IN on Bottom Layer "VDD_SERVO_IN_L06_P204" (solid, remove dead copper, pour order 204): 94.584,140.4 97.5,140.4 97.9,140.4 98.5,141 98.9,141.4 98.9,144.383 102.45,144.383 102.45,146.383 98.9,146.383 96.517,146.383 96.5,146.4 96.2,146.1 96.2,142.5 94.684,142.5 94.584,142.4
IO-3V3 on POWER1 "IO-3V3_L03_P174" (solid, remove dead copper, pour order 174): 94.664,129.55 94.664,134.637 106.5,134.637 106.5,116.7 108,115.2 108.3,114.9 112.9,114.9 134.5,114.9 135.1,114.3 135.2,114.2 135.2,105.383 96.583,105.383 94.664,105.383
VDD_SERVO on POWER1 "VDD_SERVO_L03_P176" (solid, remove dead copper, pour order 176): 94.584,134.3 105.6,134.3 106.3,134.3 106.6,134.6 106.8,134.8 106.8,139.8 106.8,142.3 107.3,142.8 108.6,142.8 108.6,146.383 108.483,146.5 94.5,146.5
VBUS on POWER1 "VBUS_L03_P178" (solid, remove dead copper, pour order 178): 106.8,140.305 129.095,140.305 129.9,139.5 130.5,138.9 145,138.9 145,146.4 144.983,146.383 106.8,146.383
MCU_3V3 on POWER1 "MCU_3V3_L03_P180" (solid, remove dead copper, pour order 180): 106.3,140.125 129.095,140.305 130.5,138.9 135.5,138.9 135.609,139.009 135.2,138.6 135.2,113.977 106.423,113.977 106.3,114.1
GND on POWER1 "GND_L03_P182" (solid, remove dead copper, pour order 182): 135.1,138.9 135.2,139 143.6,139 143.6,109.5 145.4,107.7 145.3,107.6 145.3,105.3 135.1,105.3
VDD_5V_IN on POWER "VDD_5V_IN_L05_P184" (solid, remove dead copper, pour order 184): 92.9,147.2 145.9,147.2 145.9,105.2 145.7,105 145.6,105.1 93.2,105.1
GND on GND "GND_L02_P186" (solid, remove dead copper, pour order 186): 93.1,146.8 145,146.8 145.1,146.7 145.1,105.2 93.4,105.2 93,105.6
GND on Signal1 "GND-No Net" (solid, remove dead copper, pour order 208): 93.3,146.85 145.1,146.85 145.375,146.575 145.375,105.3 93.35,105.3
VDD_5V_BRICK on Signal1 "VDD_5V_BRICK_L04_P192" (solid, remove dead copper, pour order 192): 103.1,146.275 103.1,142.575 103.4,142.275 103.6,142.075 110.9,142.075 110.9,144.275 111.1,144.475 112.5,144.475 112.7,144.475 113.2,143.975 114.6,142.575 124.8,142.575 136.5,142.575 137.1,143.175 137.3,143.375 137.3,146.375
VBUS on Signal1 "VBUS_L04_P194" (solid, remove dead copper, pour order 194): 101.9,137.8 110.9,137.8 143.48,137.8 143.58,137.9 143.8,138.12 143.8,146.5 102.2,146.5 101.9,146.2

## Keep-outs
Keep-Out Layer:
  lines w0.002: 143.58,105.383 144.78,105.383 144.78,107.383 143.98,107.383 cw(c143.98,107.783) 143.58,107.783 143.58,143.983 cw(c143.98,143.983) 143.98,144.383 144.78,144.383 144.78,146.383 143.58,146.383 ; 143.584,105.383 122.584,105.383 cw(c122.584,105.883) 122.084,105.883 122.084,106.883 ccw(c121.584,106.883) 121.584,107.383 116.584,107.383 ccw(c116.584,106.883) 116.084,106.883 116.084,105.883 cw(c115.584,105.883) 115.584,105.383 96.584,105.383 cw(c96.584,107.383) 94.664,106.823 ccw(c94.184,106.683) 94.184,107.183 93.334,107.183 93.334,108.633 94.084,108.633 ccw(c94.084,109.133) 94.584,109.133 94.584,142.633 ccw(c94.084,142.633) 94.084,143.133 93.334,143.133 93.334,144.583 94.184,144.583 ccw(c94.184,145.083) 94.664,144.943 cw(c96.584,144.383) 96.584,146.383 143.584,146.383

## Other copper
Top Layer:
  rectangle net VCC_OUT1: 141.4,121.675 143.425,123.8
  rectangle net VCC_OUT2: 141.4,117.2 143.425,119.325
  rectangle net VDD_5V_IN: 112.575,141.85 113.6,143.075
  region net VDD_5V_IN: 136.5,122.214 136.5,123.425 135.2,123.425 135.2,122.214
  rectangle net VDD_5V_IN: 135.925,118.725 137.65,119.55
  rectangle net VDD_5V_IN: 135.925,118.2 136.45,119.375
  rectangle net GND: 136.8,116.5 137.5,118.4
  rectangle net GND: 136.7,120.4 137.6,122.3
  rectangle net GND: 138.1,135.2 139,137.5
Bottom Layer:
  rectangle net GND: 106.1,135.525 112.1,136.675
  rectangle net SPI_SCK: 128.25,110.95 128.625,111.5

## Silkscreen, mask and mechanical layers (free items; w line width, h text height)
Top Overlay:
  text "PixHack V3" at 127.075,105.725 h2
  text "Rev:D" at 137.225,105.725 h1.5
Bottom Overlay:
  rectangle: 115.3,141.7 126.7,146.4
  lines w1.5: 102.959,112.683 ccw(c100.587,111.892) 103.023,112.457 ; 102.959,140.683 ccw(c100.587,139.892) 103.023,140.457 ; 139.959,112.683 ccw(c137.587,111.892) 140.023,112.457 ; 139.959,140.683 ccw(c137.587,139.892) 140.023,140.457
  text "5V" at 114,129.55 h1.1
  text "DIO" at 123.5,127.5 h1.1
  text "Rev:C" at 112.275,127.475 h1.5 r90
  text "CLK" at 125.55,124 h1.1
  text "mcu_3v3" at 118,122.85 h1.1
  text "3V3-4" at 133.125,114.75 h1.1
  text "DIO" at 105.8,113.7 h1.1
  text "CLK" at 109.9,109.8 h1.1
  text "3V3" at 104.575,108.025 h1.1
  text "CUAV.NET" at 114.475,105.875 h1.5

## Text inside footprints (layer, text, board x,y; h text height)
BAT1: Bottom Overlay "-" at 106.637,125.213 h1.52 r180; Bottom Overlay "+" at 106.562,126.837 h1.52 r180
U17: Top Overlay "Z" at 129.473,109.5 h0.26; Top Overlay "Y" at 130.583,109.5 h0.26; Top Overlay "X" at 129.473,108.547 h0.26